# Altium PCB LimeSDR-USB_1v4s.PcbDoc (part 4 of 10)
Units mm, origin at the board's own origin, x right, y up, seen from the top; angles counter-clockwise.
Board outline 100 x 60 mm, 12 copper layers (Top, L2, L3, L4, L5, L6, L7, L8, L9, L10, L11, Bottom), stack 1.58 mm thick; 858 components, 627 nets, 4058 pads, 2110 vias.
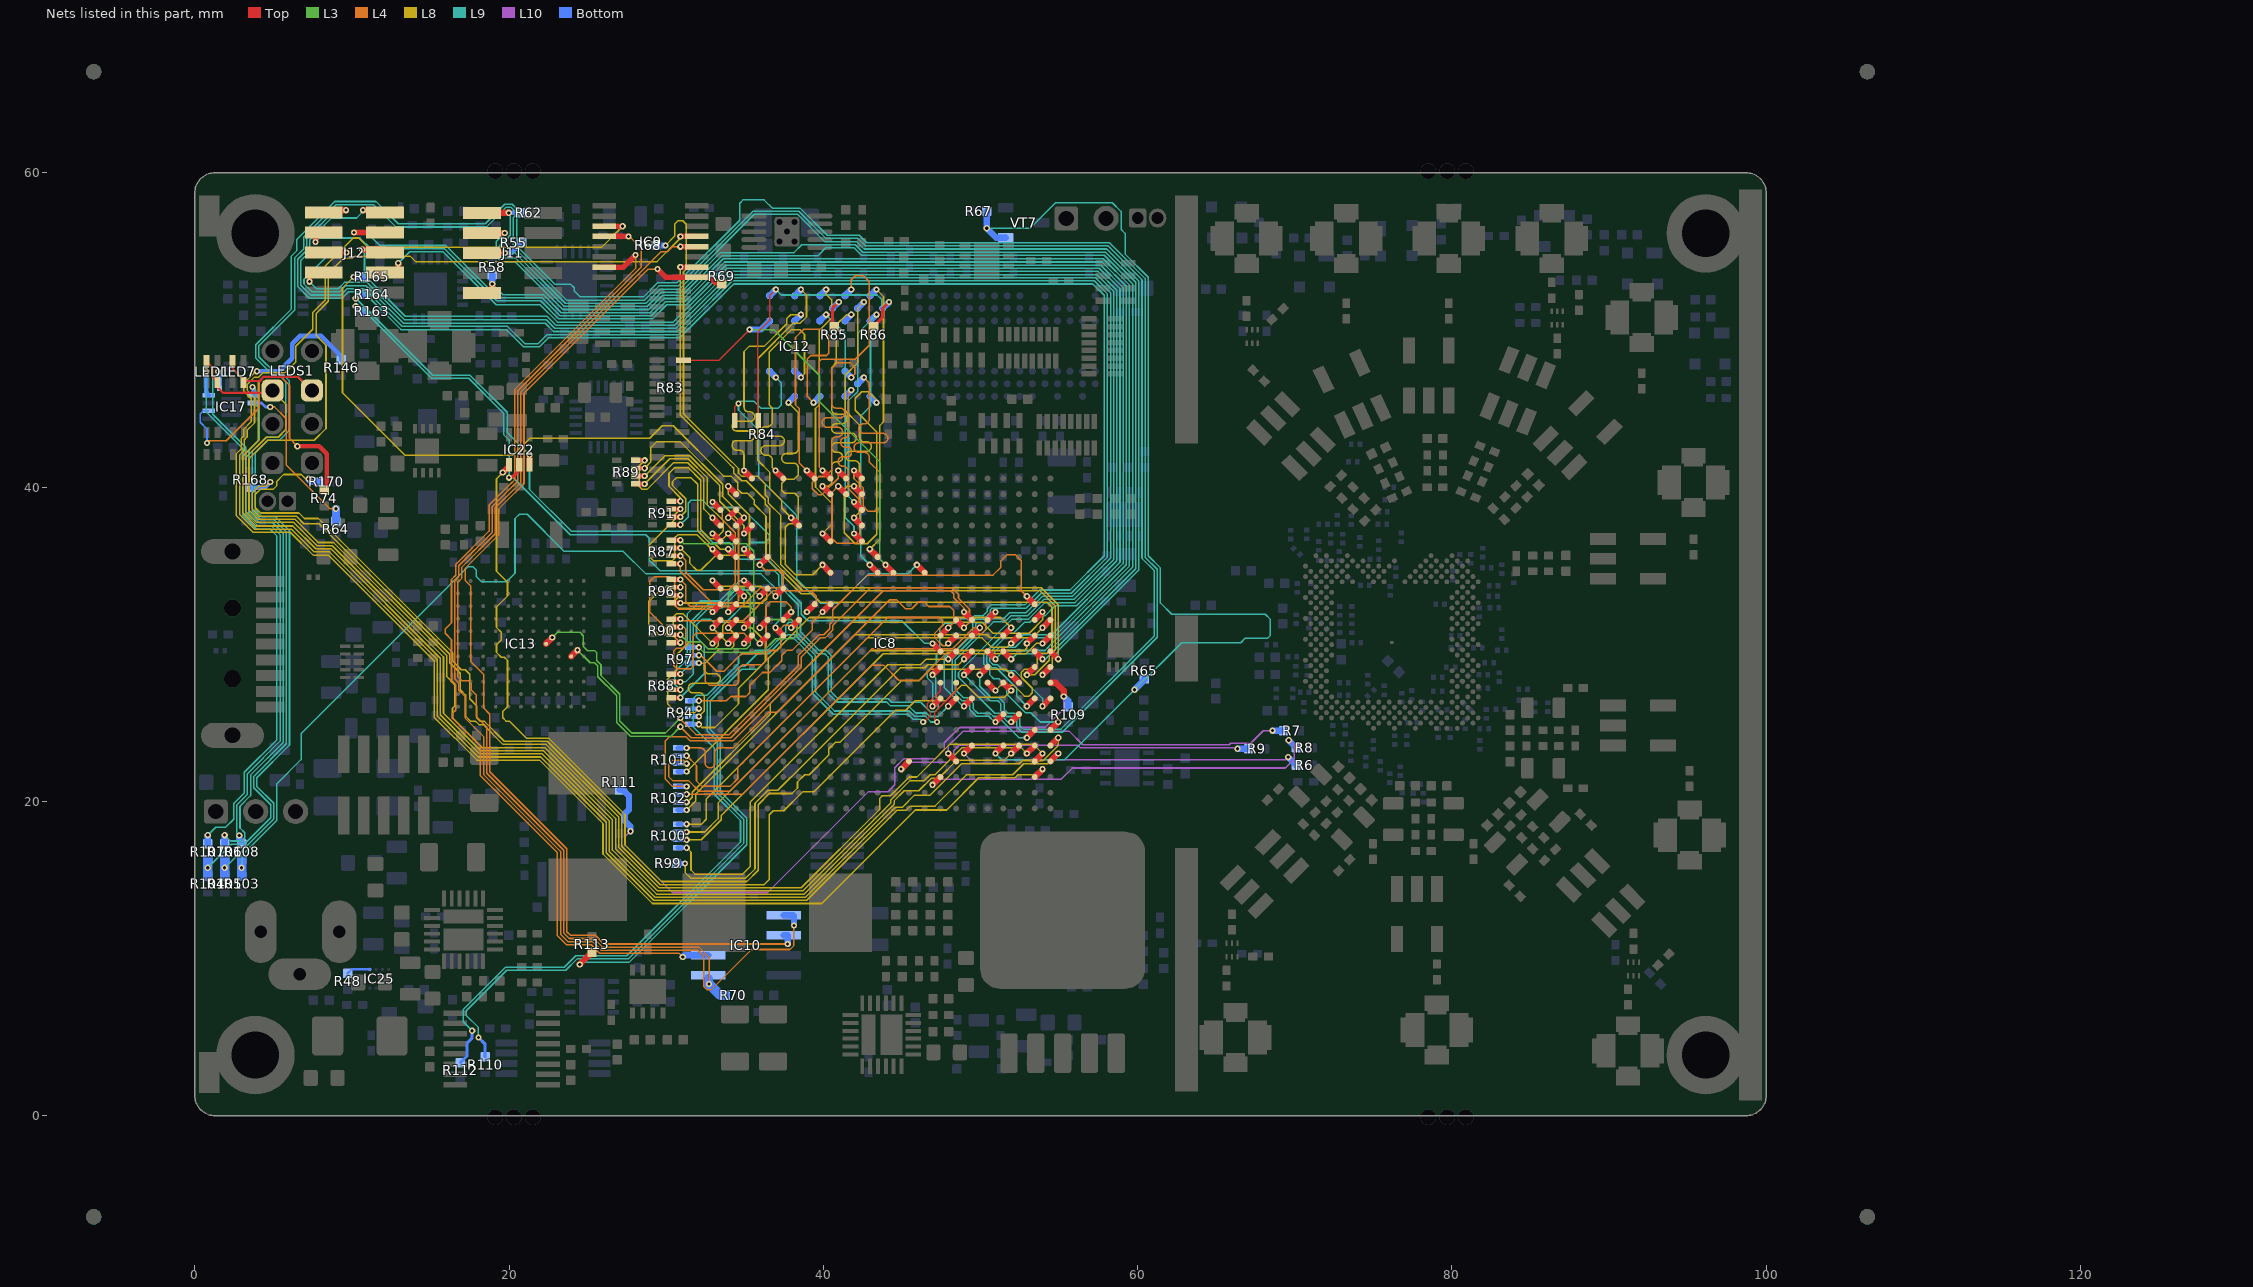
[diagram p14: the nets of this part, all layers, seen from the top]

## Via types
v1: diameter 0.4, hole 0.2, Top to Bottom, tented both sides, 1293 vias
v2: diameter 0.4, hole 0.2, Top to Bottom, tented top, 427 vias
v3: diameter 0.4, hole 0.2, Top to Bottom, 281 vias
v4: diameter 0.31, hole 0.2, Top to Bottom, tented top, 89 vias
v5: diameter 0.5, hole 0.2, Top to Bottom, tented both sides, 20 vias

## Nets (pads, with @x,y where several pads share a name; then routed paths per layer and width w, separated by ;. In a path a pad name is that pad's centre, name@x,y a point inside that pad or via, vN(x,y) a via of type N, cw(c..) or ccw(c..) an arc to the next point about the centre after c; other vN are vias at no path point) (continued)
DDR2_2_DQ2: IC8.AB20 IC12.H7 | length 18.1
  Top w0.4: v2(34.95,41.05) IC8.AB20@35.45,40.55
  L8 w0.1: v2(34.95,41.05) 34.95,42.05 ccw(c34.646,42.05) 34.646,42.354 34.492,42.354 cw(c34.492,42.658) 34.188,42.658 cw(c34.492,42.658) 34.492,42.962 34.95,42.962 35.321,42.962 ccw(c35.321,43.266) 35.625,43.266 ccw(c35.321,43.266) 35.321,43.57 34.95,43.57 34.492,43.57 cw(c34.492,43.874) 34.188,43.874 cw(c34.492,43.874) 34.492,44.178 34.95,44.178 35.321,44.178 ccw(c35.321,44.482) 35.625,44.482 ccw(c35.321,44.482) 35.321,44.786 35.254,44.786 cw(c35.254,45.09) 34.95,45.09 34.95,45.394 34.95,45.425 34.95,48.625 35.3,48.975 36.25,48.975 37.675,50.4 37.675,50.725 37.925,50.975 v1(38.575,50.975)
  Bottom w0.4: IC12.H7@38.175,50.575 v1(38.575,50.975)
DDR2_2_DQ3: IC8.AB18 IC12.H3 | length 18.2
  Top w0.4: v2(36.95,41.05) IC8.AB18@37.45,40.55
  L8 w0.1: v2(36.95,41.05) 36.75,41.25 36.75,41.725 ccw(c36.446,41.725) 36.446,42.029 36.329,42.029 cw(c36.329,42.333) 36.025,42.333 cw(c36.329,42.333) 36.329,42.637 36.75,42.637 37.208,42.637 ccw(c37.208,42.941) 37.512,42.941 ccw(c37.208,42.941) 37.208,43.245 36.75,43.245 36.329,43.245 cw(c36.329,43.549) 36.025,43.549 cw(c36.329,43.549) 36.329,43.853 36.446,43.853 ccw(c36.446,44.157) 36.75,44.157 36.75,44.65 36.75,45.025 36.55,45.225 36.55,48.6 37.975,50.025 38.5,50.025 38.8,49.725 38.8,47.2 v1(38.575,46.975)
  Bottom w0.4: IC12.H3@38.175,47.375 v1(38.575,46.975)
DDR2_2_DQ4: IC8.T15 IC12.H1 | length 18.4
  Top w0.4: v2(39.95,35.05) IC8.T15@40.45,34.55
  L8 w0.1: v1(37.775,45.375) 38.4,44.75 38.4,42.764 38.4,42.441 cw(c38.096,42.441) 38.096,42.137 37.65,42.137 ccw(c37.65,41.833) 37.346,41.833 ccw(c37.65,41.833) 37.65,41.529 38.096,41.529 cw(c38.096,41.225) 38.4,41.225 38.4,40.775 38.125,40.5 37.6,40.5 37.35,40.25 37.35,39.8 37.55,39.6 38.175,39.6 38.4,39.375 38.4,37.9 38.175,37.675 37.8,37.675 37.575,37.45 37.575,35.074 38.224,34.425 39.325,34.425 v2(39.95,35.05)
  Bottom w0.4: v1(37.775,45.375) IC12.H1@38.175,45.775
DDR2_2_DQ5: IC8.W17 IC12.H9 | length 18.4
  Top w0.4: v2(37.95,38.05) IC8.W17@38.45,37.55
  L8 w0.1: v2(37.95,38.05) 37.35,38.65 37.35,39.145 36.6,39.895 36.6,40.925 35.825,41.7 35.825,48.175 38.075,50.425 38.52,50.425 38.925,50.83 38.925,52.225 v1(38.575,52.575)
  Bottom w0.4: IC12.H9@38.175,52.175 v1(38.575,52.575)
DDR2_2_DQ6: IC8.AB16 IC12.F1 | length 18.2
  Top w0.4: v2(38.95,41.05) IC8.AB16@39.45,40.55
  L4 w0.1: v2(38.95,41.05) 38.475,41.525 38.475,44.98 38.225,45.23 38.225,49.525 38.75,50.05 39.95,50.05 40.35,49.65 40.35,48.525 40.2,48.375 39.2,48.375 38.975,48.15 38.975,45.775 v1(39.375,45.375)
  Bottom w0.4: v1(39.375,45.375) IC12.F1@39.775,45.775
DDR2_2_DQ7: IC8.V15 IC12.F9 | length 18
  Top w0.4: v2(39.95,37.05) IC8.V15@40.45,36.55
  L8 w0.1: v2(39.95,37.05) 40.525,37.625 40.525,38.98 39.5,40.005 39.5,45.005 39.725,45.23 39.725,49.95 40.525,50.75 40.525,51.92 40.175,52.27 v1(40.175,52.575)
  Bottom w0.4: IC12.F9@39.775,52.175 v1(40.175,52.575)
DDR2_2_DQ8: IC8.W13 IC12.C8 | length 18.5
  Top w0.4: v2(41.95,38.05) IC8.W13@42.45,37.55
  L8 w0.1: v2(41.95,38.05) 42.3,38.4 42.3,41.363 ccw(c41.996,41.363) 41.996,41.667 41.731,41.667 cw(c41.731,41.971) 41.427,41.971 cw(c41.731,41.971) 41.731,42.275 42.3,42.275 42.753,42.275 ccw(c42.753,42.579) 43.057,42.579 ccw(c42.753,42.579) 42.753,42.882 42.604,42.882 cw(c42.604,43.186) 42.3,43.186 42.3,43.95 41.4,44.85 41.4,47.125 42.2,47.925 42.2,51.4 v1(42.575,51.775)
  Bottom w0.4: IC12.C8@42.175,51.375 v1(42.575,51.775)
DDR2_2_DQ9: IC8.AB13 IC12.C2 | length 18.4
  Top w0.4: v2(41.95,41.05) IC8.AB13@42.45,40.55
  L4 w0.1: v2(41.95,41.05) 41.95,40.545 42.525,39.97 42.525,38.775 42.825,38.475 43.375,38.475 43.6,38.7 43.6,40.925 42.925,41.6 42.925,41.9 ccw(c42.621,41.9) 42.621,42.204 42.253,42.204 cw(c42.253,42.508) 41.949,42.508 cw(c42.253,42.508) 42.253,42.812 42.925,42.812 43.796,42.812 ccw(c43.796,43.116) 44.1,43.116 ccw(c43.796,43.116) 43.796,43.42 42.925,43.42 42.56,43.42 cw(c42.56,43.724) 42.256,43.724 cw(c42.56,43.724) 42.56,44.028 42.621,44.028 ccw(c42.621,44.332) 42.925,44.332 42.925,44.4 42.925,46.625 v1(42.575,46.975)
  Bottom w0.4: IC12.C2@42.175,46.575 v1(42.575,46.975)
DDR2_2_DQ10: IC8.AA15 IC12.D7 | length 18.3
  Top w0.4: v2(39.95,40.05) IC8.AA15@40.45,39.55
  L8 w0.1: v2(39.95,40.05) 40.325,40.05 40.525,40.25 40.525,40.825 40.525,41.302 cw(c40.829,41.302) 40.829,41.606 40.925,41.606 ccw(c40.925,41.91) 41.229,41.91 ccw(c40.925,41.91) 40.925,42.214 40.829,42.214 cw(c40.829,42.518) 40.525,42.518 cw(c40.829,42.518) 40.829,42.822 41.798,42.822 ccw(c41.798,43.126) 42.102,43.126 ccw(c41.798,43.126) 41.798,43.43 40.829,43.43 cw(c40.829,43.734) 40.525,43.734 cw(c40.829,43.734) 40.829,44.038 41.195,44.038 ccw(c41.195,44.342) 41.499,44.342 ccw(c41.195,44.342) 41.195,44.646 40.829,44.646 cw(c40.829,44.95) 40.525,44.95 40.525,47.605 40.825,47.905 40.825,50.325 41.475,50.975 v1(41.775,50.975)
  Bottom w0.4: IC12.D7@41.375,50.575 v1(41.775,50.975)
DDR2_2_DQ11: IC8.AB14 IC12.D3 | length 18.1
  Top w0.4: v2(40.95,41.05) IC8.AB14@41.45,40.55
  L4 w0.1: v2(40.95,41.05) 40.95,40.555 39.92,39.525 39.675,39.525 39.3,39.9 39.3,40.275 39.7,40.675 40.125,40.675 40.525,41.075 40.525,42.675 40.525,42.893 cw(c40.829,42.893) 40.829,43.197 40.919,43.197 ccw(c40.919,43.501) 41.223,43.501 ccw(c40.919,43.501) 40.919,43.805 40.525,43.805 40.229,43.805 cw(c40.229,44.109) 39.925,44.109 cw(c40.229,44.109) 40.229,44.413 40.525,44.413 41.071,44.413 ccw(c41.071,44.717) 41.375,44.717 ccw(c41.071,44.717) 41.071,45.021 40.829,45.021 cw(c40.829,45.325) 40.525,45.325 40.525,47.525 40.9,47.9 41.725,47.9 42,47.625 42,47.2 v1(41.775,46.975)
  Bottom w0.4: IC12.D3@41.375,47.375 v1(41.775,46.975)
DDR2_2_DQ12: IC8.AA14 IC12.D1 | length 18.4
  Top w0.4: v2(40.95,40.05) IC8.AA14@41.45,39.55
  L4 w0.1: v2(40.95,40.05) 40.55,39.65 40.55,36.75 40.875,36.425 42.1,36.425 42.325,36.65 42.325,39.17 41.575,39.92 41.575,41.025 ccw(c41.271,41.025) 41.271,41.329 41.246,41.329 cw(c41.246,41.633) 40.942,41.633 cw(c41.246,41.633) 41.246,41.937 41.575,41.937 ccw(c41.575,42.129) 41.767,42.129 41.767,42.353 ccw(c41.575,42.353) 41.575,42.545 41.396,42.545 cw(c41.396,42.849) 41.092,42.849 cw(c41.396,42.849) 41.396,43.153 ccw(c41.396,43.332) 41.575,43.332 41.575,43.65 41.575,45.975 v1(41.775,46.175)
  Bottom w0.4: IC12.D1@41.375,45.775 v1(41.775,46.175)
DDR2_2_DQ13: IC8.AB15 IC12.D9 | length 18
  Top w0.4: v2(39.95,41.05) IC8.AB15@40.45,40.55
  L4 w0.1: v2(39.95,41.05) 39.725,41.275 39.725,47.975 39.877,48.127 42.027,48.127 42.925,49.025 42.925,53.075 42.55,53.45 42.025,53.45 41.775,53.2 v1(41.775,52.575)
  Bottom w0.4: IC12.D9@41.375,52.175 v1(41.775,52.575)
DDR2_2_DQ14: IC8.AA13 IC12.B1 | length 18.5
  Top w0.4: v2(41.95,40.05) IC8.AA13@42.45,39.55
  L8 w0.1: v2(41.95,40.05) 41.525,40.05 41.325,39.85 41.325,37.1 42.025,36.4 42.795,36.4 43.4,37.005 43.4,43.508 42.025,44.883 42.025,45.65 42.45,46.075 42.85,46.075 43.375,45.55 v1(43.375,45.375)
  Bottom w0.4: IC12.B1@42.975,45.775 v1(43.375,45.375)
DDR2_2_DQ15: IC8.U12 IC12.B9 | length 18.3
  Top w0.4: v2(42.95,36.05) IC8.U12@43.45,35.55
  L8 w0.1: v2(42.95,36.05) 43.6,36.7 43.6,43.925 43.825,44.15 43.825,52.125 v1(43.375,52.575)
  Bottom w0.4: IC12.B9@42.975,52.175 v1(43.375,52.575)
DDR2_2_DQS0: IC8.V13 IC12.F7 | length 15.9
  Top w0.4: v2(41.95,37.05) IC8.V13@42.45,36.55
  L9 w0.1: v1(40.175,50.975) 41.4,49.75 41.4,38.05 41.95,37.5 v2(41.95,37.05)
  Bottom w0.4: IC12.F7@39.775,50.575 v1(40.175,50.975)
DDR2_2_DQS0N: IC12.E8 R85.2 | length 2.4
  Top w0.2: R85.2@40.7,50.2 40.575,50.325 40.575,51.375 v1(40.975,51.775)
  Bottom w0.4: IC12.E8@40.575,51.375 v1(40.975,51.775)
DDR2_2_DQS1: IC8.Y13 IC12.B7 | length 14.1
  Top w0.4: v2(41.95,39.05) IC8.Y13@42.45,38.55
  L9 w0.1: v2(41.95,39.05) 41.6,39.4 41.6,45.505 42.2,46.105 42.2,49.8 v1(43.375,50.975)
  Bottom w0.4: IC12.B7@42.975,50.575 v1(43.375,50.975)
DDR2_2_DQS1N: IC12.A8 R86.2 | length 2.6
  Top w0.2: R86.2@43.166,50.2 43.775,50.809 43.775,51.375 v1(44.175,51.775)
  Bottom w0.4: IC12.A8@43.775,51.375 v1(44.175,51.775)
DDR2_2_ODT: IC8.T12 IC12.K9 R84.5 | length 34.8
  Top w0.1: R84.5@35.85,44.225 35.825,44.25 35.825,49.875 36.575,50.625 36.575,52.175 v1(36.975,52.575)
  Top w0.4: v2(42.95,35.05) IC8.T12@43.45,34.55
  L9 w0.1: v1(36.975,52.575) 37.325,52.225 43.42,52.225 43.725,51.92 43.725,50.83 43,50.105 43,45.15 42.375,44.525 42.375,35.625 v2(42.95,35.05)
  Bottom w0.4: IC12.K9@36.575,52.175 v1(36.975,52.575)
DDR2_2_RASN: IC8.T11 IC12.K7 R83.8 | length 26.7
  Top w0.1: R83.8@31.1,48.075 33.359,48.075 v1(35.309,50.025)
  Top w0.4: v2(43.95,35.05) IC8.T11@44.45,34.55
  L3 w0.1: v1(35.309,50.025) 36.842,50.025 39.775,47.092 39.775,45.417 43.6,41.592 43.6,35.4 v2(43.95,35.05)
  Bottom w0.4: v1(35.309,50.025) 36.025,50.025 IC12.K7@36.575,50.575
DDR2_2_WEN: IC8.T9 IC12.K3 R84.8 | length 29.4
  Top w0.1: R84.8@34.35,44.225 34.35,45.075 v1(34.6,45.325)
  Top w0.4: v2(45.95,35.05) IC8.T9@46.45,34.55
  L9 w0.1: v1(36.975,46.975) 37.325,46.625 37.325,45.23 37.12,45.025 36.03,45.025 35.605,45.45 34.725,45.45 v1(34.6,45.325) 34.6,44.9 35.9,43.6 35.9,40.6 37.763,38.737 37.763,38.732 38.3,38.195 38.3,34.133 39.808,32.625 41.025,32.625 42.875,34.475 45.375,34.475 v2(45.95,35.05)
  Bottom w0.4: IC12.K3@36.575,47.375 v1(36.975,46.975)
EXP_AS_SS: IC17.2 R74.1 | length 19.5
  Top w0.3: v1(6.525,42.6) 7.924,42.6 8.4,42.124 8.4,39.95 R74.1@8.25,39.8 R74.1@8.325,39.725
  L4 w0.1: v1(0.775,42.8) 0.925,42.95 2.008,42.95 4.1,45.042 4.1,46.707 4.393,47 5.507,47 6.025,46.482 6.025,43.1 v1(6.525,42.6)
  Bottom w0.1: v1(0.775,42.8) 0.775,43.7 0.35,44.125 0.35,44.65 0.55,44.85 IC17.2@0.9,44.85
EXP_AS_SW: IC17.10 R64.2 | length 10.5
  L4 w0.1: v1(4.8,45.1) 5.077,45.1 5.825,44.352 5.825,41.405 8.605,38.625 v1(8.975,38.625)
  Bottom w0.2: IC17.10@3.75,45.35 4.247,45.35 4.497,45.1 v1(4.8,45.1)
  Bottom w0.5: R64.2@8.975,37.825 v1(8.975,38.625)
EXP_CONF_DONE: IC17.5 R108.1 | length 34.3
  L9 w0.1: v1@1.4,47.2 1.15,46.95 1.15,44.633 3.25,42.533 3.25,38.301 4.026,37.525 4.876,37.525 5.425,36.976 5.425,23.842 3.347,21.765 3.347,20.449 2.675,19.776 2.675,17.976 v1(2.825,17.826)
  Bottom w0.3: v1(1.475,47.35) 1.575,47.25 IC17.5@1.575,46.525
  Bottom w0.4: v1(2.825,17.826) 2.825,17.575 R108.1@2.975,17.425
EXP_NCONFIG: IC17.9 R106.1 | length 34.4
  L9 w0.1: v1(1.9,17.85) 2.274,17.476 2.97,17.476 3.175,17.681 3.175,18 2.875,18.3 2.875,19.694 3.547,20.366 3.547,21.672 5.625,23.75 5.625,37.059 4.959,37.725 4.109,37.725 3.45,38.384 3.45,42.341 4.1,42.991 4.1,45.017 3.875,45.242 3.875,46.175 v1(3.675,46.375)
  Bottom w0.3: v1@3.65,46.375 3.75,46.275 IC17.9@3.75,45.85
  Bottom w0.4: R106.1@1.9,17.3 v1(1.9,17.85)
EXP_NSTATUS: IC17.4 R107.1 | length 36.2
  L9 w0.1: v1(0.725,47.375) 0.725,44.775 3.05,42.45 3.05,38.219 3.944,37.325 4.794,37.325 5.225,36.894 5.225,23.925 3.147,21.847 3.147,20.532 2.475,19.859 2.475,18.865 1.96,18.35 1.325,18.35 v1(0.825,17.85)
  Bottom w0.3: v1(0.725,47.375) 0.725,46.025 IC17.4@0.9,45.85
  Bottom w0.4: R107.1@0.825,17.3 v1(0.825,17.85)
FAN_CTRL: IC8.E4 R65.2 R67.1 VT7.G | length 69
  Top w0.4: v1(50.95,23.05) IC8.E4@51.45,23.55
  L9 w0.1: v1(50.4,56.475) 53.15,56.475 54.775,58.1 58.389,58.1 58.945,57.544 58.945,56.4 59.2,56.145 59.2,54.835 60.675,53.36 60.675,35.625 61.45,34.85 61.45,32.625 62.175,31.9 68.125,31.9 68.45,31.575 68.45,30.561 68.264,30.375 66.833,30.375 66.558,30.1 62.8,30.1 v1(59.8,27.1) 55.35,22.65 51.35,22.65 v1(50.95,23.05)
  Bottom w0.4: R67.1@50.4,57.55 v1(50.4,56.475) 51,55.875 VT7.G@51.6,55.875 ; v1(59.8,27.1) 60.425,27.725 R65.2@60.425,27.8
FLASH_AS_MISO: IC9.7 IC10.2 | length 64
  Top w0.35: IC9.7@26.05,54 27.275,54 v1(28.05,54.775)
  L4 w0.1: v1(28.05,54.775) 28.05,53.917 20.35,46.217 20.35,40.455 20.145,40.25 20.128,40.25 18.725,38.847 18.725,37.2 16.6,35.075 16.6,34.383 16.334,34.117 16.334,31.359 15.925,30.95 15.934,30.941 15.934,30.691 16.334,30.291 16.334,27.708 16.6,27.442 16.6,25.804 16.4,25.604 16.4,25.271 18.175,23.496 18.175,21.625 23.075,16.725 23.075,11.456 23.657,10.875 25.226,10.875 25.776,10.325 30.825,10.325 v1(31.05,10.1)
  Bottom w0.4: v1(31.05,10.1) 31.165,10.215 IC10.2@32.675,10.215
FLASH_AS_MOSI: IC9.4 IC10.5 | length 75.2
  Top w0.35: IC9.4@26.05,55.95 v1(27.6,55.95)
  L4 w0.1: v1(27.6,55.95) 27.67,55.95 28.4,55.22 28.4,53.984 20.55,46.134 20.55,40.372 20.228,40.05 20.211,40.05 18.925,38.764 18.925,37.117 16.8,34.992 16.8,34.3 16.534,34.034 16.534,27.791 16.8,27.525 16.8,27.075 17.2,26.675 17.2,25.3 18.375,24.125 18.375,21.708 23.275,16.808 23.275,11.539 23.739,11.075 25.309,11.075 25.859,10.525 32,10.525 32.375,10.15 32.375,8.23 32.58,8.025 32.875,8.025 35.425,10.575 37.87,10.575 38.125,10.83 v1(38.125,12.1)
  Bottom w0.4: IC10.5@37.475,12.755 38.07,12.755 38.125,12.7 v1(38.125,12.1)
FLASH_AS_SCLK: IC9.9 IC10.6 R69.1 | length 69.9
  Top w0.35: v1(29.45,53.875) 29.975,53.35 IC9.9@31.95,53.35 32.8,53.35 33.15,53 R69.1@33.525,53
  L4 w0.1: v1(29.45,53.875) 28.856,53.875 20.95,45.969 20.95,40.207 20.393,39.65 20.376,39.65 19.325,38.599 19.325,36.951 17.2,34.826 17.2,34.07 17.55,33.72 17.55,28.92 18.375,28.095 18.375,25.95 18.775,25.55 18.775,21.88 23.675,16.98 23.675,11.705 23.905,11.475 25.475,11.475 26.025,10.925 v1(37.725,10.925)
  Bottom w0.4: IC10.6@37.475,11.485 37.725,11.485 v1(37.725,10.925)
FLASH_AS_SS: IC9.12 IC10.1 R70.2 | length 67.5
  Top w0.35: v1(30.9,55.3) IC9.12@31.95,55.3
  L4 w0.1: v1(30.9,55.3) 30.4,55.3 30.075,54.975 29.674,54.975 20.75,46.051 20.75,40.289 20.311,39.85 20.294,39.85 19.125,38.681 19.125,37.034 17,34.909 17,34.217 16.734,33.951 16.734,27.946 17.005,27.675 17.425,27.675 17.6,27.5 17.6,27.08 17.9,26.78 17.9,25.414 18.575,24.739 18.575,21.791 23.475,16.891 23.475,11.622 23.822,11.275 25.392,11.275 25.942,10.725 32.083,10.725 32.725,10.083 v1(32.725,8.375)
  Bottom w0.6: IC10.1@32.675,8.725 32.675,8.425 v1(32.725,8.375) 33.45,7.65 R70.2@33.75,7.65
FPF_VINSEL: IC25.D4 R48.1 | length 1.5
  Bottom w0.15: R48.1@9.725,9.05 9.988,9.313 IC25.D4@11.138,9.313
FPGA_AS_ASDO: IC8.D1 IC9.3 | length 111
  Top w0.35: IC9.3@26.175,56.6 v1(27.225,56.6)
  Top w0.4: IC8.D1@54.45,22.55 v2(54.95,23.05)
  L8 w0.1: v1(27.225,56.6) 25.875,55.25 11.025,55.25 10.425,55.85 10.08,55.85 8.3,54.07 8.3,51.908 7.5,51.108 7.5,50.042 6.425,48.967 6.425,47.967 5.733,47.275 4.345,47.275 4.07,47 3.805,47 3.325,46.52 3.325,46.175 3.8,45.7 3.8,44.084 3.325,43.609 3.325,43.184 3.15,43.009 3.15,42.349 2.85,42.049 2.85,38.276 3.801,37.325 6.158,37.325 7.608,35.875 8.578,35.875 15.425,29.028 15.425,25.434 18.034,22.825 22.017,22.825 26.175,18.667 26.175,16.733 29.208,13.7 38.944,13.7 44.668,19.425 45.265,19.425 45.54,19.7 47.105,19.7 49.105,21.7 52.05,21.7 52.75,22.4 54.3,22.4 v2(54.95,23.05)
FPGA_AS_DATA0: IC8.K1 R68.2 | length 52.3
  Top w0.4: v2(53.95,28.05) IC8.K1@54.45,28.55
  L8 w0.1: v1(29.95,55.375) 30.55,55.975 30.55,56.745 30.755,56.95 31.045,56.95 31.275,56.72 31.275,53.875 31.1,53.7 31.1,44.675 34.175,41.6 34.178,41.6 34.6,41.178 34.6,40.895 34.795,40.7 35.795,40.7 36.3,40.195 36.3,39.5 36.5,39.3 36.5,38.995 37.3,38.195 37.3,35.066 38.766,33.6 53.866,33.6 54.95,32.516 54.95,29.545 54.575,29.17 54.575,28.675 v2(53.95,28.05)
  Bottom w0.4: R68.2@29.35,55.375 v1(29.95,55.375)
FPGA_AS_DCLK: IC8.K2 IC9.10 | length 47.6
  Top w0.35: v1(30.9,54) IC9.10@31.95,54
  Top w0.4: v2(52.95,28.05) IC8.K2@53.45,28.55
  L8 w0.1: v1(30.9,54) 30.9,44.592 34.092,41.4 34.095,41.4 34.3,41.195 34.3,40.9 34.8,40.4 35.095,40.4 36.3,39.195 36.3,38.912 36.6,38.612 36.6,35.483 38.683,33.4 53.783,33.4 54.75,32.433 54.75,29.628 54.375,29.253 54.375,28.98 53.445,28.05 v2(52.95,28.05)
FPGA_AS_NCSO: IC8.E2 IC9.13 | length 111.9
  Top w0.35: v1(30.9,55.95) IC9.13@31.95,55.95
  Top w0.4: v2(52.95,23.05) IC8.E2@53.45,23.55
  L8 w0.1: v1(30.9,55.95) 30.9,55.83 29.42,54.35 14.05,54.35 13.7,54.7 10.175,54.7 10.025,54.55 9.442,54.55 8.5,53.608 8.5,51.825 7.725,51.05 7.725,49.651 8.35,49.026 8.35,43.723 7.602,42.975 4.625,42.975 3.45,41.8 3.45,38.525 4.025,37.95 6.381,37.95 7.856,36.475 8.826,36.475 16.025,29.276 16.025,27.95 16.55,27.425 16.55,26.075 16.4,25.925 16.4,25.314 18.289,23.425 22.266,23.425 26.775,18.916 26.775,16.981 29.456,14.3 38.695,14.3 44.3,19.905 44.3,20.108 45.517,21.325 46.425,21.325 46.8,21.7 47.105,21.7 48.83,23.425 52.575,23.425 v2(52.95,23.05)
FPGA_CLK_OUT: IC8.C2 R146.1 | length 86.8
  Top w0.4: IC8.C2@53.45,21.55 v2(53.95,22.05)
  L8 w0.1: v1(3.95,47.375) 3.872,47.375 3.125,46.628 3.125,46.092 3.6,45.617 3.6,44.167 3.125,43.692 3.125,43.267 2.95,43.092 2.95,42.431 2.65,42.131 2.65,38.182 3.707,37.125 6.075,37.125 7.525,35.675 8.495,35.675 15.225,28.945 15.225,25.351 17.951,22.625 21.935,22.625 25.975,18.585 25.975,16.65 29.125,13.5 39.895,13.5 45.845,19.45 47.845,19.45 49.895,21.5 52.188,21.5 52.388,21.7 53.6,21.7 v2(53.95,22.05)
  Bottom w0.309: v1(3.95,47.375) 5.375,47.375 6.2,48.2 6.2,49.125 6.68,49.605 8.045,49.605 9.325,48.325 R146.1@9.325,48.1
FPGA_CONF_DONE: IC8.M18 R103.2 R108.2 | length 55.7
  Top w0.4: v2(36.95,31.05) IC8.M18@37.45,30.55
  L9 w0.1: v1(2.975,15.775) 2.975,16.541 5.225,18.791 5.225,21.125 6.763,22.663 6.763,24.298 17.405,34.941 17.695,34.941 17.9,34.736 17.9,34.325 18.25,33.975 19.829,33.975 20.375,34.521 20.375,37.995 20.655,38.275 21.15,38.275 23.5,35.925 27.255,35.925 28.705,34.475 36.03,34.475 37.3,33.205 37.3,31.625 36.95,31.275 v2(36.95,31.05)
  Bottom w0.6: R103.2@2.975,15.25 v1(2.975,15.775) R108.2@2.975,16.3
FPGA_GPIO0: IC8.H8 J12.1 | length 98.2
  Top w0.4: J12.1@8.35,57.625 v1(9.625,57.625) ; v2(46.95,26.05) IC8.H8@47.45,26.55
  L9 w0.1: v1(9.625,57.625) 8.922,57.625 7.125,55.828 7.125,55.075 6.55,54.5 6.55,52.764 7.289,52.025 9.374,52.025 9.774,52.425 10.719,52.425 13.119,50.025 19.822,50.025 20.922,48.925 21.928,48.925 22.503,49.5 30.864,49.5 34.289,52.925 57.15,52.925 57.875,52.2 57.875,35.636 55.689,33.45 53.776,33.45 52.826,32.5 50.667,32.5 50.425,32.258 50.425,32.083 50.142,31.8 49.592,31.8 49.417,31.625 48.747,31.625 48.472,31.35 47.755,31.35 47.4,30.995 47.4,29.561 47.2,29.361 47.2,28.875 46.6,28.275 46.6,27.875 46.95,27.525 v2(46.95,26.05)
FPGA_GPIO1: IC8.H6 J12.2 | length 98.7
  Top w0.4: v1(10.7,57.625) 11.95,57.625 J12.2@12.1,57.475 ; v2(48.95,26.05) IC8.H6@49.45,26.55
  L9 w0.1: v1(10.7,57.625) 10.7,57.53 10.295,57.125 8.705,57.125 7.325,55.745 7.325,54.992 6.75,54.417 6.75,52.847 7.372,52.225 9.291,52.225 9.691,52.625 10.801,52.625 13.201,50.225 19.905,50.225 21.005,49.125 21.845,49.125 22.42,49.7 30.781,49.7 31.678,50.597 34.206,53.125 57.233,53.125 58.075,52.283 58.075,35.553 55.772,33.25 53.859,33.25 52.909,32.3 50.75,32.3 50.625,32.175 50.625,32 50.225,31.6 49.675,31.6 49.5,31.425 49.5,30.661 48.139,29.3 47.846,29.3 47.7,29.154 47.7,28.904 47.7,27.239 48.889,26.05 v2(48.95,26.05)
FPGA_GPIO2: IC8.H2 J12.3 | length 90.1
  Top w0.4: v1(7.675,55.6) J12.3@7.675,56.2 ; v2(52.95,26.05) IC8.H2@53.45,26.55
  L9 w0.1: v1(7.675,55.6) 7.925,55.85 10.03,55.85 10.52,55.85 11.195,55.175 15.883,55.175 19.208,51.85 22.011,51.85 23.161,50.7 29.13,50.7 30.03,51.6 31.267,51.6 33.792,54.125 57.647,54.125 59.075,52.697 59.075,35.139 54.536,30.6 52.722,30.6 52.522,30.4 51.522,30.4 50.4,29.278 50.4,28.822 50.722,28.5 50.995,28.5 52.3,27.195 52.3,26.7 v2(52.95,26.05)
FPGA_GPIO3: IC8.H1 J12.4 | length 90
  Top w0.4: v1(10.125,56.2) J12.4@12.1,56.2 ; v2(53.95,26.05) IC8.H1@54.45,26.55
  L9 w0.1: v1(10.125,56.2) 10.95,56.2 11.775,55.375 15.966,55.375 19.291,52.05 22.094,52.05 23.244,50.9 29.047,50.9 29.947,51.8 31.184,51.8 31.675,52.291 33.709,54.325 57.73,54.325 59.275,52.78 59.275,35.056 54.619,30.4 52.805,30.4 52.205,29.8 51.205,29.8 50.6,29.195 50.6,28.905 50.805,28.7 51.078,28.7 51.453,28.325 52.17,28.325 53.95,26.545 v2(53.95,26.05)
FPGA_GPIO4: IC8.G4 J12.5 | length 96.4
  Top w0.4: J12.5@8.2,54.925 v1(9.65,54.925) ; v2(50.95,25.05) IC8.G4@51.45,25.55
  L9 w0.1: v1(9.65,54.925) 8.655,54.925 6.95,53.22 6.95,52.93 7.455,52.425 9.208,52.425 9.608,52.825 10.884,52.825 13.284,50.425 22.3,50.425 22.825,49.9 30.699,49.9 34.124,53.325 57.316,53.325 58.275,52.366 58.275,35.471 55.854,33.05 53.942,33.05 52.892,32 51.839,32 51.459,31.62 50.7,31.62 50.455,31.375 49.78,31.375 49.7,31.295 49.7,30.578 48.2,29.078 48.2,27.022 48.817,26.405 49.09,26.405 49.325,26.17 49.325,25.825 49.735,25.415 50.524,25.415 50.889,25.05 v2(50.95,25.05)
FPGA_GPIO5: IC8.G3 J12.6 | length 90
  Top w0.4: v1(10.65,55.1) J12.6@12.1,55.1 ; v2(51.95,25.05) IC8.G3@52.45,25.55
  L9 w0.1: v1(10.65,55.1) 10.8,54.95 10.8,53.475 13.4,50.875 22.416,50.875 22.991,50.3 30.533,50.3 33.958,53.725 34.124,53.725 57.481,53.725 58.675,52.531 58.675,35.305 56.02,32.65 54.108,32.65 53.058,31.6 52.005,31.6 48.6,28.195 48.6,27.905 50.905,25.6 51.188,25.6 51.738,25.05 v2(51.95,25.05)
FPGA_GPIO6: IC8.F2 J12.7 | length 94.4
  Top w0.4: v1(7.3,53.075) 7.3,53.425 7.525,53.65 J12.7@8.2,53.65 ; v2(52.95,24.05) IC8.F2@53.45,24.55
  L9 w0.1: v1(7.3,53.075) 7.75,52.625 9.125,52.625 9.525,53.025 10.967,53.025 13.342,50.65 22.358,50.65 22.908,50.1 30.616,50.1 34.041,53.525 57.399,53.525 58.475,52.449 58.475,35.388 55.937,32.85 54.025,32.85 52.975,31.8 51.922,31.8 51.542,31.42 50.825,31.42 48.4,28.995 48.4,27.105 48.9,26.605 49.183,26.605 49.344,26.444 49.344,26.434 49.525,26.253 49.525,25.908 49.818,25.615 50.607,25.615 50.822,25.4 51.105,25.4 52.455,24.05 v2(52.95,24.05)